# Allegro board RV1126B_mainboard.brd (continued)
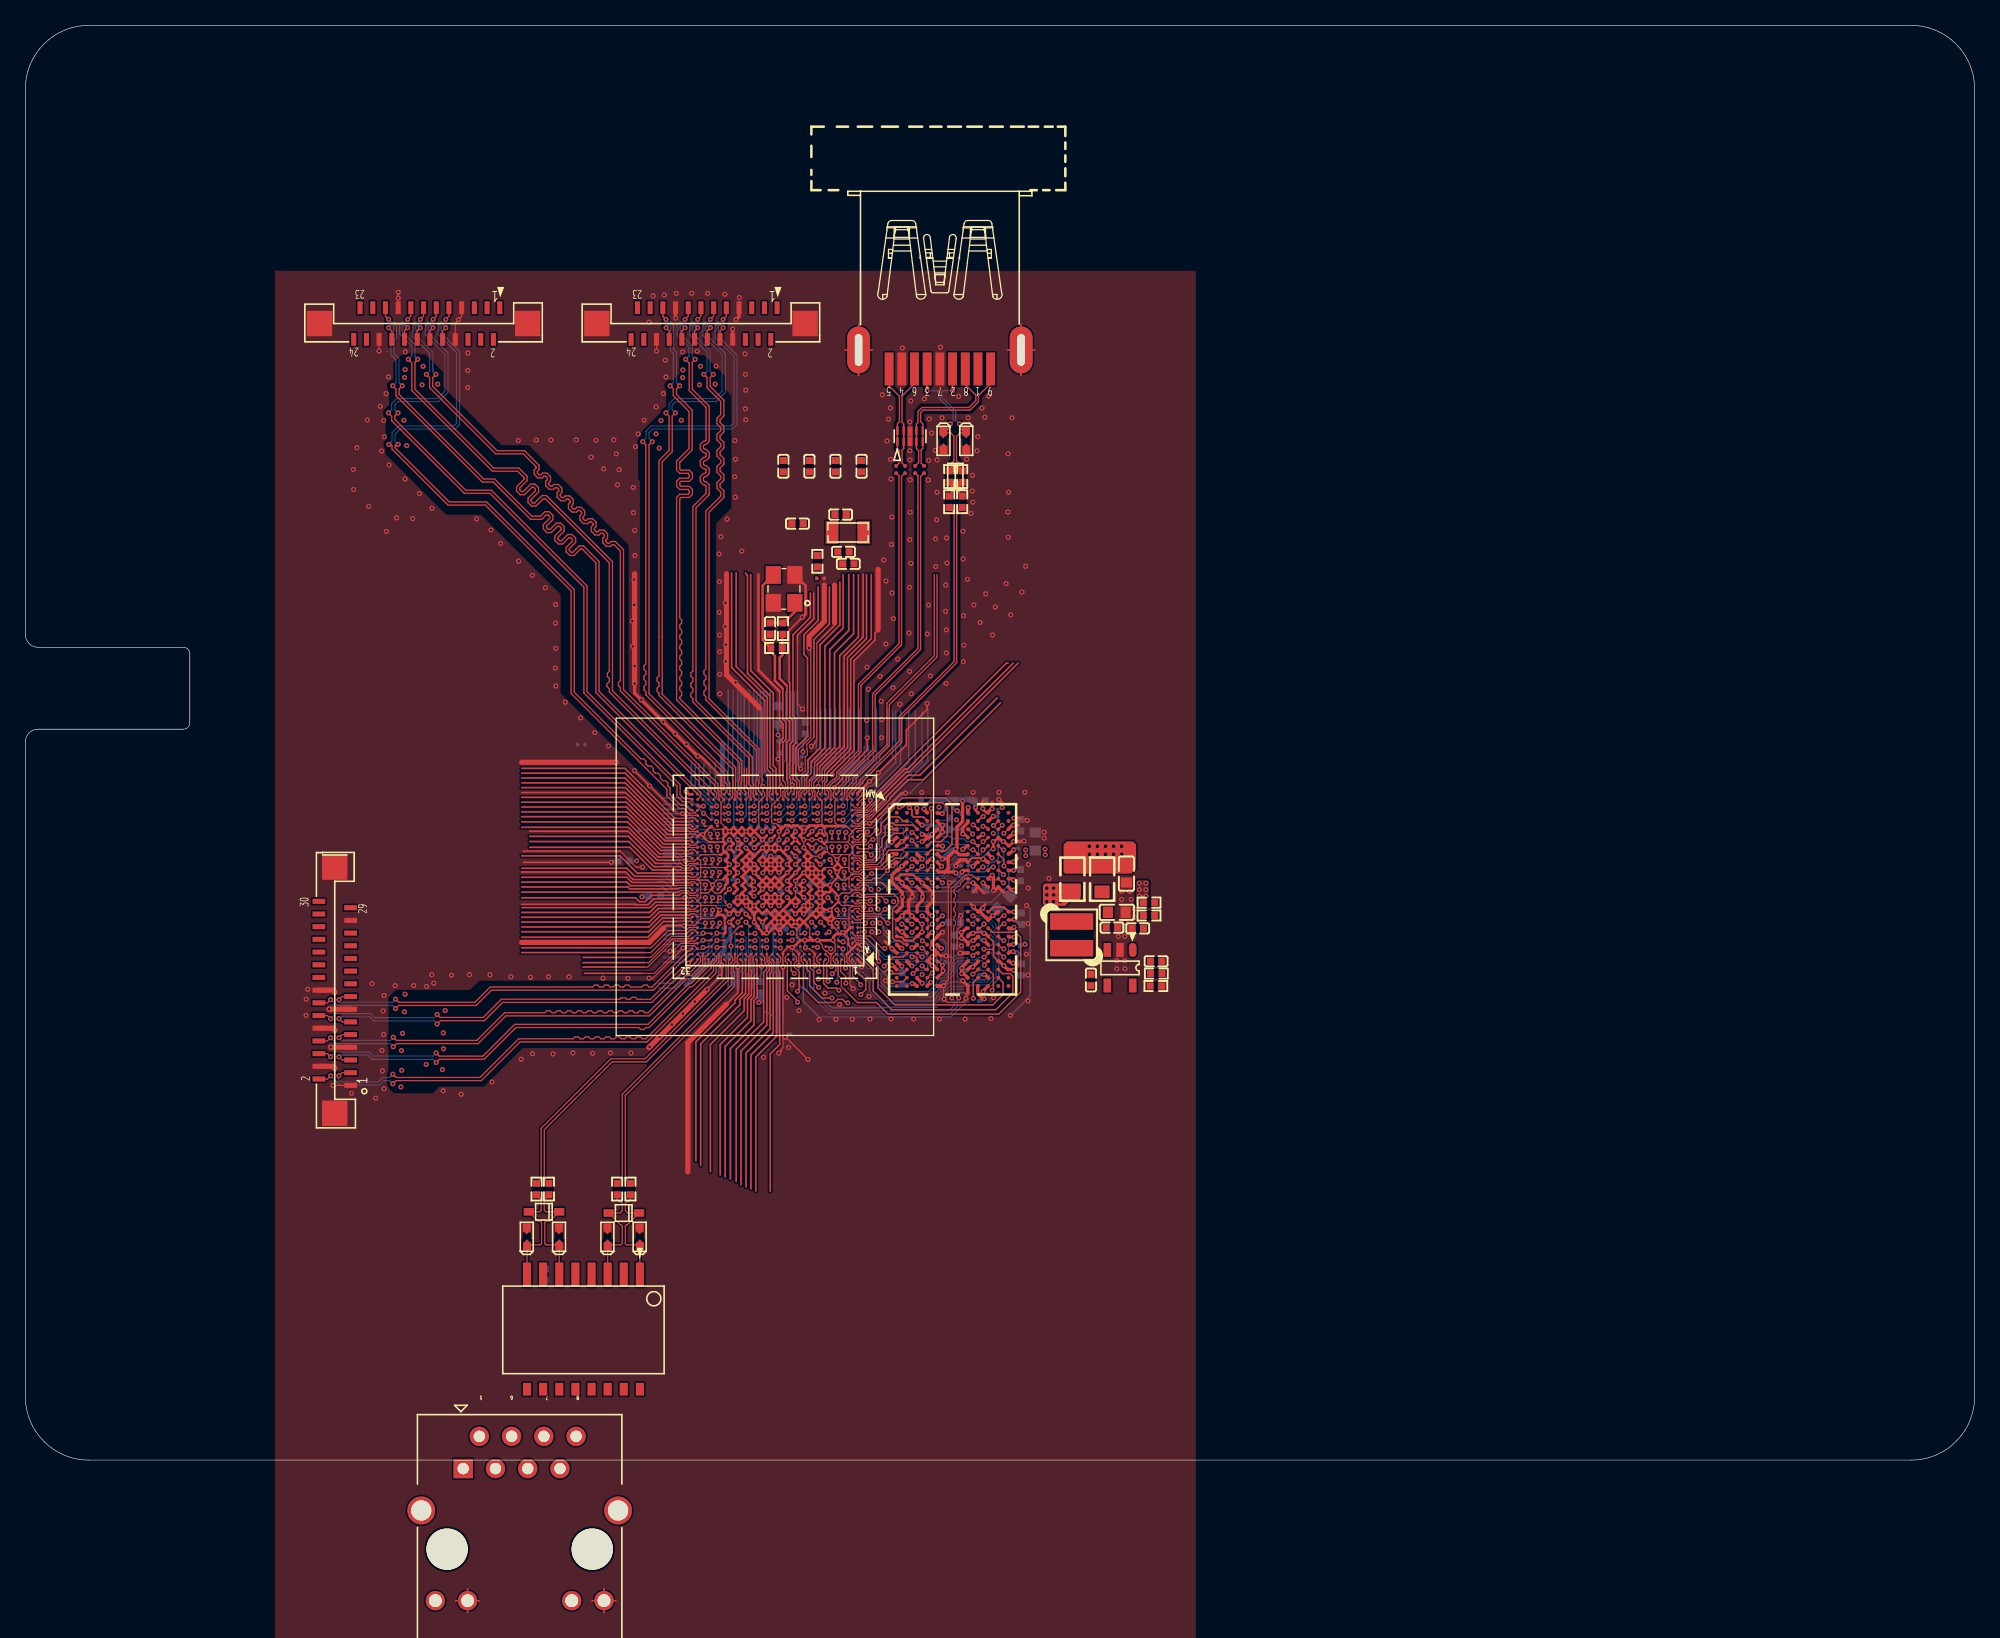
[diagram p0: board, top side]
## Footprints (pads in the part's own frame, mm; a bottom-side part is the same pattern mirrored in y, then rotated) (continued)
  round 0.216 smd: 1A2(-5,5.5) 1A4(-4,5.5) 1A6(-3,5.5) 1A8(-2,5.5) 1A10(-1,5.5) 1A12(0,5.5) 1A14(1,5.5) 1A16(2,5.5) 1A18(3,5.5) 1A20(4,5.5) 1A22(5,5.5) 1AA2(-5,-4.5) 1AA4(-4,-4.5) 1AA6(-3,-4.5) 1AA8(-2,-4.5) 1AA10(-1,-4.5) 1AA12(0,-4.5) 1AA14(1,-4.5) 1AA16(2,-4.5) 1AA18(3,-4.5) 1AA20(4,-4.5) 1AA22(5,-4.5) 1AB2(-5,-5) 1AB4(-4,-5) 1AB6(-3,-5) 1AB8(-2,-5) 1AB10(-1,-5) 1AB12(0,-5) 1AB14(1,-5) 1AB16(2,-5) 1AB18(3,-5) 1AB20(4,-5) 1AB22(5,-5) 1AC2(-5,-5.5) 1AC4(-4,-5.5) 1AC6(-3,-5.5) 1AC8(-2,-5.5) 1AC10(-1,-5.5) 1AC12(0,-5.5) 1AC14(1,-5.5) 1AC16(2,-5.5) 1AC18(3,-5.5) 1AC20(4,-5.5) 1AC22(5,-5.5) 1B2(-5,5) 1B4(-4,5) 1B6(-3,5) 1B8(-2,5) 1B10(-1,5) 1B12(0,5) 1B14(1,5) 1B16(2,5) 1B18(3,5) 1B20(4,5) 1B22(5,5) 1C2(-5,4.5) 1C4(-4,4.5) 1C6(-3,4.5) 1C8(-2,4.5) 1C10(-1,4.5) 1C12(0,4.5) 1C14(1,4.5) 1C16(2,4.5) 1C18(3,4.5) 1C20(4,4.5) 1C22(5,4.5) 1D1(-5.5,4) 1D2(-5,4) 1D3(-4.5,4) 1D21(4.5,4) 1D22(5,4) 1D23(5.5,4) 1F1(-5.5,3) 1F2(-5,3) 1F3(-4.5,3) 1F21(4.5,3) 1F22(5,3) 1F23(5.5,3) 1H1(-5.5,2) 1H2(-5,2) 1H3(-4.5,2) 1H21(4.5,2) 1H22(5,2) 1H23(5.5,2) 1K1(-5.5,1) 1K2(-5,1) 1K3(-4.5,1) 1K21(4.5,1) 1K22(5,1) 1K23(5.5,1) 1M1(-5.5,0) 1M2(-5,0) 1M3(-4.5,0) 1M21(4.5,0) 1M22(5,0) 1M23(5.5,0) 1P1(-5.5,-1) 1P2(-5,-1) 1P3(-4.5,-1) 1P21(4.5,-1) 1P22(5,-1) 1P23(5.5,-1) 1T1(-5.5,-2) 1T2(-5,-2) 1T3(-4.5,-2) 1T21(4.5,-2) 1T22(5,-2) 1T23(5.5,-2) 1V1(-5.5,-3) 1V2(-5,-3) 1V3(-4.5,-3) 1V21(4.5,-3) 1V22(5,-3) 1V23(5.5,-3) 1Y1(-5.5,-4) 1Y2(-5,-4) 1Y3(-4.5,-4) 1Y21(4.5,-4) 1Y22(5,-4) 1Y23(5.5,-4) 2A1(-3.9,3.9) 2A2(-3.25,3.9) 2A3(-2.6,3.9) 2A4(-1.95,3.9) 2A5(-1.3,3.9) 2A6(-0.65,3.9) 2A7(0,3.9) 2A8(0.65,3.9) 2A9(1.3,3.9) 2A10(1.95,3.9) 2A11(2.6,3.9) 2A12(3.25,3.9) 2A13(3.9,3.9) 2B1(-3.9,3.25) 2B2(-3.25,3.25) 2B3(-2.6,3.25) 2B4(-1.95,3.25) 2B5(-1.3,3.25) 2B6(-0.65,3.25) 2B7(0,3.25) 2B8(0.65,3.25) 2B9(1.3,3.25) 2B10(1.95,3.25) 2B11(2.6,3.25) 2B12(3.25,3.25) 2B13(3.9,3.25) 2C1(-3.9,2.6) 2C2(-3.25,2.6) 2C3(-2.6,2.6) 2C4(-1.95,2.6) 2C5(-1.3,2.6) 2C6(-0.65,2.6) 2C7(0,2.6) 2C8(0.65,2.6) 2C9(1.3,2.6) 2C10(1.95,2.6) 2C11(2.6,2.6) 2C12(3.25,2.6) 2C13(3.9,2.6) 2D1(-3.9,1.95) 2D2(-3.25,1.95) 2D3(-2.6,1.95) 2D4(-1.95,1.95) 2D5(-1.3,1.95) 2D6(-0.65,1.95) 2D7(0,1.95) 2D8(0.65,1.95) 2D9(1.3,1.95) 2D10(1.95,1.95) 2D11(2.6,1.95) 2D12(3.25,1.95) 2D13(3.9,1.95) 2E1(-3.9,1.3) 2E2(-3.25,1.3) 2E3(-2.6,1.3) 2E4(-1.95,1.3) 2E5(-1.3,1.3) 2E6(-0.65,1.3) 2E7(0,1.3) 2E8(0.65,1.3) 2E9(1.3,1.3) 2E10(1.95,1.3) 2E11(2.6,1.3) 2E12(3.25,1.3) 2E13(3.9,1.3) 2F1(-3.9,0.65) 2F2(-3.25,0.65) 2F3(-2.6,0.65) 2F4(-1.95,0.65) 2F5(-1.3,0.65) 2F6(-0.65,0.65) 2F7(0,0.65) 2F8(0.65,0.65) 2F9(1.3,0.65) 2F10(1.95,0.65) 2F11(2.6,0.65) 2F12(3.25,0.65) 2F13(3.9,0.65) 2G1(-3.9,0) 2G2(-3.25,0) 2G3(-2.6,0) 2G4(-1.95,0) 2G5(-1.3,0) 2G6(-0.65,0) 2G7(0,0) 2G8(0.65,0) 2G9(1.3,0) 2G10(1.95,0) 2G11(2.6,0) 2G12(3.25,0) 2G13(3.9,0) 2H1(-3.9,-0.65) 2H2(-3.25,-0.65) 2H3(-2.6,-0.65) 2H4(-1.95,-0.65) 2H5(-1.3,-0.65) 2H6(-0.65,-0.65) 2H7(0,-0.65) 2H8(0.65,-0.65) 2H9(1.3,-0.65) 2H10(1.95,-0.65) 2H11(2.6,-0.65) 2H12(3.25,-0.65) 2H13(3.9,-0.65) 2J1(-3.9,-1.3) 2J2(-3.25,-1.3) 2J3(-2.6,-1.3) 2J4(-1.95,-1.3) 2J5(-1.3,-1.3) 2J6(-0.65,-1.3) 2J7(0,-1.3) 2J8(0.65,-1.3) 2J9(1.3,-1.3) 2J10(1.95,-1.3) 2J11(2.6,-1.3) 2J12(3.25,-1.3) 2J13(3.9,-1.3) 2K1(-3.9,-1.95) 2K2(-3.25,-1.95) 2K3(-2.6,-1.95) 2K4(-1.95,-1.95) 2K5(-1.3,-1.95) 2K6(-0.65,-1.95) 2K7(0,-1.95) 2K8(0.65,-1.95) 2K9(1.3,-1.95) 2K10(1.95,-1.95) 2K11(2.6,-1.95) 2K12(3.25,-1.95) 2K13(3.9,-1.95) 2L1(-3.9,-2.6) 2L2(-3.25,-2.6) 2L3(-2.6,-2.6) 2L4(-1.95,-2.6) 2L5(-1.3,-2.6) 2L6(-0.65,-2.6) 2L7(0,-2.6) 2L8(0.65,-2.6) 2L9(1.3,-2.6) 2L10(1.95,-2.6) 2L11(2.6,-2.6) 2L12(3.25,-2.6) 2L13(3.9,-2.6) 2M1(-3.9,-3.25) 2M2(-3.25,-3.25) 2M3(-2.6,-3.25) 2M4(-1.95,-3.25) 2M5(-1.3,-3.25) 2M6(-0.65,-3.25) 2M7(0,-3.25) 2M8(0.65,-3.25) 2M9(1.3,-3.25) 2M10(1.95,-3.25) 2M11(2.6,-3.25) 2M12(3.25,-3.25) 2M13(3.9,-3.25) 2N1(-3.9,-3.9) 2N2(-3.25,-3.9) 2N3(-2.6,-3.9) 2N4(-1.95,-3.9) 2N5(-1.3,-3.9) 2N6(-0.65,-3.9) 2N7(0,-3.9) 2N8(0.65,-3.9) 2N9(1.3,-3.9) 2N10(1.95,-3.9) 2N11(2.6,-3.9) 2N12(3.25,-3.9) 2N13(3.9,-3.9) A1(-6.51,6.51) A2(-6.09,6.51) A4(-5.25,6.51) A5(-4.83,6.51) A7(-3.99,6.51) A8(-3.57,6.51) A10(-2.73,6.51) A11(-2.31,6.51) A13(-1.47,6.51) A14(-1.05,6.51) A16(-0.21,6.51) A17(0.21,6.51) A19(1.05,6.51) A20(1.47,6.51) A22(2.31,6.51) A23(2.73,6.51) A25(3.57,6.51) A26(3.99,6.51) A28(4.83,6.51) A29(5.25,6.51) A31(6.09,6.51) A32(6.51,6.51) AA1(-6.51,-1.89) AA2(-6.09,-1.89) AA31(6.09,-1.89) AA32(6.51,-1.89) AB1(-6.51,-2.31) AB2(-6.09,-2.31) AB31(6.09,-2.31) AC2(-6.09,-2.73) AC31(6.09,-2.73) AC32(6.51,-2.73) AD1(-6.51,-3.15) AD2(-6.09,-3.15) AD31(6.09,-3.15) AD32(6.51,-3.15) AE1(-6.51,-3.57) AE2(-6.09,-3.57) AE31(6.09,-3.57) AF2(-6.09,-3.99) AF31(6.09,-3.99) AF32(6.51,-3.99) AG1(-6.51,-4.41) AG2(-6.09,-4.41) AG31(6.09,-4.41) AG32(6.51,-4.41) AH1(-6.51,-4.83) AH2(-6.09,-4.83) AH31(6.09,-4.83) AJ2(-6.09,-5.25) AJ31(6.09,-5.25) AJ32(6.51,-5.25) AK1(-6.51,-5.67) AK2(-6.09,-5.67) AK31(6.09,-5.67) AK32(6.51,-5.67) AL1(-6.51,-6.09) AL2(-6.09,-6.09) AL3(-5.67,-6.09) AL4(-5.25,-6.09) AL5(-4.83,-6.09) AL6(-4.41,-6.09) AL7(-3.99,-6.09) AL8(-3.57,-6.09) AL9(-3.15,-6.09) AL10(-2.73,-6.09) AL11(-2.31,-6.09) AL12(-1.89,-6.09) AL13(-1.47,-6.09) AL14(-1.05,-6.09) AL15(-0.63,-6.09) AL16(-0.21,-6.09) AL17(0.21,-6.09) AL18(0.63,-6.09) AL19(1.05,-6.09) AL20(1.47,-6.09) AL21(1.89,-6.09) AL22(2.31,-6.09) AL23(2.73,-6.09) AL24(3.15,-6.09) AL25(3.57,-6.09) AL26(3.99,-6.09) AL27(4.41,-6.09) AL28(4.83,-6.09) AL29(5.25,-6.09) AL30(5.67,-6.09) AL31(6.09,-6.09) AL32(6.51,-6.09) AM1(-6.51,-6.51) AM2(-6.09,-6.51) AM4(-5.25,-6.51) AM5(-4.83,-6.51) AM7(-3.99,-6.51) AM8(-3.57,-6.51) AM10(-2.73,-6.51) AM11(-2.31,-6.51) AM13(-1.47,-6.51) AM14(-1.05,-6.51) AM16(-0.21,-6.51) AM17(0.21,-6.51) AM19(1.05,-6.51) AM20(1.47,-6.51) AM22(2.31,-6.51) AM23(2.73,-6.51) AM25(3.57,-6.51) AM26(3.99,-6.51) AM28(4.83,-6.51) AM29(5.25,-6.51) AM31(6.09,-6.51) AM32(6.51,-6.51) B1(-6.51,6.09) B2(-6.09,6.09) B3(-5.67,6.09) B4(-5.25,6.09) B5(-4.83,6.09) B6(-4.41,6.09) B7(-3.99,6.09) B8(-3.57,6.09) B9(-3.15,6.09) B10(-2.73,6.09) B11(-2.31,6.09) B12(-1.89,6.09) B13(-1.47,6.09) B14(-1.05,6.09) B15(-0.63,6.09) B16(-0.21,6.09) B17(0.21,6.09) B18(0.63,6.09) B19(1.05,6.09) B20(1.47,6.09) B21(1.89,6.09) B22(2.31,6.09) B23(2.73,6.09) B24(3.15,6.09) B25(3.57,6.09) B26(3.99,6.09) B27(4.41,6.09) B28(4.83,6.09) B29(5.25,6.09) B30(5.67,6.09) B31(6.09,6.09) B32(6.51,6.09) C1(-6.51,5.67) C2(-6.09,5.67) C31(6.09,5.67) C32(6.51,5.67) D1(-6.51,5.25) D2(-6.09,5.25) D31(6.09,5.25) E2(-6.09,4.83) E31(6.09,4.83) E32(6.51,4.83) F1(-6.51,4.41) F2(-6.09,4.41) F31(6.09,4.41) F32(6.51,4.41) G1(-6.51,3.99) G2(-6.09,3.99) G31(6.09,3.99) H2(-6.09,3.57) H31(6.09,3.57) H32(6.51,3.57) J1(-6.51,3.15) J2(-6.09,3.15) J31(6.09,3.15) J32(6.51,3.15) K1(-6.51,2.73) K2(-6.09,2.73) K31(6.09,2.73) L2(-6.09,2.31) L31(6.09,2.31) L32(6.51,2.31) M1(-6.51,1.89) M2(-6.09,1.89) M31(6.09,1.89) M32(6.51,1.89) N1(-6.51,1.47) N2(-6.09,1.47) N31(6.09,1.47) P2(-6.09,1.05) P31(6.09,1.05) P32(6.51,1.05) R1(-6.51,0.63) R2(-6.09,0.63) R31(6.09,0.63) R32(6.51,0.63) T1(-6.51,0.21) T2(-6.09,0.21) T31(6.09,0.21) U2(-6.09,-0.21) U31(6.09,-0.21) U32(6.51,-0.21) V1(-6.51,-0.63) V2(-6.09,-0.63) V31(6.09,-0.63) V32(6.51,-0.63) W1(-6.51,-1.05) W2(-6.09,-1.05) W31(6.09,-1.05) Y2(-6.09,-1.47) Y31(6.09,-1.47) Y32(6.51,-1.47)
C0201
  custom 0.295x0.3 smd: 1(-0.274,0) 2(0.274,0)
C0402
  rect 0.549x0.549 smd: 1(-0.45,0) 2(0.45,0)
C0402#2
  rect 0.549x0.549 smd: 1(-0.45,0) 2(0.45,0)
C0402_BGA
  custom 0.475x0.508 smd: 1(-0.47,0) 2(0.47,0)
C0603
  rect 0.8x0.899 smd: 1(-0.701,0) 2(0.701,0)
CM_IND_131006
  rect 0.5x0.3 smd: 1(-0.625,0.275) 2(0.625,0.275) 3(-0.625,-0.275) 4(0.625,-0.275)
CNN24_1R00_FP05SL_V
  rect 0.399x1.001 smd: 1(-5.999,-1.25) 2(-5.499,1.25) 3(-5.001,-1.25) 4(-4.501,1.25) 5(-4,-1.25) 6(-3.5,1.25) 7(-3,-1.25) 8(-2.499,1.25) 9(-1.999,-1.25) 10(-1.501,1.25) 11(-1.001,-1.25) 12(-0.5,1.25) 13(0,-1.25) 14(0.5,1.25) 15(1.001,-1.25) 16(1.501,1.25) 17(1.999,-1.25) 18(2.499,1.25) 19(3,-1.25) 20(3.5,1.25) 21(4,-1.25) 22(4.501,1.25) 23(5.001,-1.25) 24(5.499,1.25)
  rect 1.999x1.999 smd: 25(-8.199,0) 26(8.199,0)
CNN30_1R00_FP05SL_V
  rect 0.399x1.001 smd: 1(-7.501,-1.25) 2(-7,1.25) 3(-6.5,-1.25) 4(-5.999,1.25) 5(-5.499,-1.25) 6(-5.001,1.25) 7(-4.501,-1.25) 8(-4,1.25) 9(-3.5,-1.25) 10(-3,1.25) 11(-2.499,-1.25) 12(-1.999,1.25) 13(-1.501,-1.25) 14(-1.001,1.25) 15(-0.5,-1.25) 16(0,1.25) 17(0.5,-1.25) 18(1.001,1.25) 19(1.501,-1.25) 20(1.999,1.25) 21(2.499,-1.25) 22(3,1.25) 23(3.5,-1.25) 24(4,1.25) 25(4.501,-1.25) 26(5.001,1.25) 27(5.499,-1.25) 28(5.999,1.25) 29(6.5,-1.25) 30(7,1.25)
  rect 1.999x1.999 smd: 31(-9.7,0) 32(9.7,0)
CRY2_3R20X1R50X0R90
  rect 1x1.8 smd: 1(-1.25,0) 2(1.25,0)
CRY4_3R20X2R50X0R80
  rect 1.4x1.199 smd: 1(-1.1,-0.851) 2(1.1,-0.851) 3(1.1,0.851) 4(-1.1,0.851)
ESD0402
  custom 0.869x0.638 smd: 1(-0.635,-0.02)
  custom 0.859x0.638 smd: 2(0.622,0)
IND_303015
  rect 3.401x1.3 smd: 1(0,1.05) 2(0,-1.05)
R0201
  custom 0.295x0.3 smd: 1(-0.274,0) 2(0.274,0)
R0402
  rect 0.549x0.549 smd: 1(-0.45,0) 2(0.45,0)
R0603
  rect 0.65x0.8 smd: 1(-0.724,0) 2(0.724,0)
R0805
  rect 1.001x1.199 smd: 1(-1,0) 2(1,0)
RJ45_1008RGF_11B
  round 3.25 hole 3.25 unplated: (-5.715,0) (5.715,0)
  rect 1.524x1.524 hole 0.899: 1(-4.445,6.35)
  round 1.524 hole 0.899: 2(-3.175,8.89) 3(-1.905,6.35) 4(-0.635,8.89) 5(0.635,6.35) 6(1.905,8.89) 7(3.175,6.35) 8(4.445,8.89)
  round 1.524 hole 1.02: 9(-6.64,-4.06) 10(-4.1,-4.06) 11(4.1,-4.06) 12(6.64,-4.06)
  round 2.2 hole 1.6: 13(-7.75,3.05) 14(7.75,3.05)
SOD_323
  rect 0.8x0.6 smd: 1(-1.2,0) 2(1.2,0)
SOIC16_12R70X6R90X5R65
  rect 0.64x1.91 smd: 1(-4.445,-4.35) 2(-3.175,-4.35) 3(-1.905,-4.35) 4(-0.635,-4.35) 5(0.635,-4.35) 6(1.905,-4.35) 7(3.175,-4.35) 8(4.445,-4.35)
  rect 0.64x1 smd: 9(4.445,4.675) 10(3.175,4.675) 11(1.905,4.675) 12(0.635,4.675) 13(-0.635,4.675) 14(-1.905,4.675) 15(-3.175,4.675) 16(-4.445,4.675)
SON10_2R50X1R00X0R50
  rect 0.2x0.68 smd: 1(-1,-0.437) 2(-0.5,-0.437) 4(0.5,-0.437) 5(1,-0.437) 6(1,0.437) 7(0.5,0.437) 9(-0.5,0.437) 10(-1,0.437)
  rect 0.4x0.75 smd: 3(0,-0.395) 8(0,0.395)
SOT_23_5
  oval 1.1x0.599 smd: 1(-1.4,1.001)
  rect 1.1x0.599 smd: 2(-1.4,0) 3(-1.4,-1.001) 4(1.4,-1.001) 5(1.4,1.001)
unnamed
  rect 0.549x0.549 smd: 1(-0.45,0) 2(0.45,0)
USB30_AF_SMT_THF
  rect 0.7x2.6 smd: 1(-3,0.5) 2(-1,0.5) 3(1,0.5) 4(3,0.5) 5(4,0.5) 6(2,0.5) 7(0,0.5) 8(-2,0.5) 9(-4,0.5)
  oval 1.8x3.7 hole 0.6x2.5: 10(-6.4,-1) 11(6.4,-1)

## Nets
GND: C1000.2 C1001.2 C1002.2 C1003.2 C1004.2 C1005.2 C1006.2 C1007.2 C1008.2 C1009.2 C1010.2 C1011.2 C1012.2 C1013.2 C1014.2 C1015.2 C1016.2 C1017.2 C1018.2 C1100.2 C1101.2 C1102.2 C1103.2 C1104.2 C1105.2 C1106.2 C1107.1 C1108.2 C1109.1 C1110.2 C1111.2 C1112.2 C1201.2 C1202.2 C1203.2 C1204.2 C1205.2 C1206.2 C1207.2 C1300.2 C1301.2 C1302.2 C1401.2 C1402.2 C1403.2 C1508.2 C1600.2 C1601.2 C1602.2 C1603.2 C1604.2 C1605.2 C1606.2 C1700.2 C1701.2 C1702.2 C1703.2 C1800.2 C1803.2 C1804.2 C1807.2 C1808.2 C1809.2 C1810.2 C1900.2 C1901.2 C1902.2 C3300.2 C3302.2 C3303.2 C3304.2 C3305.2 C3306.2 C3307.2 C3308.2 C3309.2 C3310.2 C3311.2 C3312.2 C3313.2 C3314.2 C3315.2 C3316.2 C3317.2 C3318.2 C3319.2 C3320.2 C3321.2 C3322.2 C3323.2 C3324.2 C3325.2 C3326.2 C3327.2 C3328.2 C3329.2 C3330.2 C3331.2 C3332.2 C3333.2 C3334.2 C3335.2 C3336.2 C3337.2 C3338.2 C6500.1 C6501.1 ED2500.2 ED2501.2 ED2502.3 ED2502.8 ED6500.2 ED6502.2 ED6503.2 ED6505.2 J2501.4 J2501.7 J2501.10 J2501.11 J4700.7 J4700.8 J4700.17 J4700.20 J4700.25 J4700.26(GPAD2) J4702.7 J4702.8 J4702.17 J4702.20 J4702.25 J4702.26(GPAD2) J5400.1 J5400.4 J5400.7 J5400.10 J5400.13 J5400.16 J5400.27 J5400.31 J5400.32(GND_32) J6500.10(YLED-) J6500.12 R1900.2 R3306.2 U1000.1A10 U1000.1B4 U1000.1B6 U1000.1B8 U1000.1C2 U1000.1C14 U1000.1C20 U1000.1D3 U1000.1F3 U1000.1F21 U1000.1H2 U1000.1K3 U1000.1K22 U1000.1M2 U1000.1P2 U1000.1V23 U1000.1Y1 U1000.1Y2 U1000.1Y3 U1000.1Y22 U1000.2A3 U1000.2A4 U1000.2A5 U1000.2A6 U1000.2A7 U1000.2A8 U1000.2A9 U1000.2A13 U1000.2B1 U1000.2B2 U1000.2B3 U1000.2B4 U1000.2B5 U1000.2B6 U1000.2B7 U1000.2B13 U1000.2C1 U1000.2C2 U1000.2C6 U1000.2C7 U1000.2C8 U1000.2C9 U1000.2C10 U1000.2D1 U1000.2D2 U1000.2D4 U1000.2D5 U1000.2D9 U1000.2D10 U1000.2D11 U1000.2D12 U1000.2E1 U1000.2E2 U1000.2E9 U1000.2E11 U1000.2F1 U1000.2F2 U1000.2F6 U1000.2F7 U1000.2F8 U1000.2F9 U1000.2F11 U1000.2F13 U1000.2G1 U1000.2G2 U1000.2G3 U1000.2G4 U1000.2G6 U1000.2G7 U1000.2G8 U1000.2G9 U1000.2G11 U1000.2G13 U1000.2H1 U1000.2H2 U1000.2H3 U1000.2H5 U1000.2H9 U1000.2H10 U1000.2H11 U1000.2H13 U1000.2J3 U1000.2J5 U1000.2J10 U1000.2J11 U1000.2J13 U1000.2K1 U1000.2K3 U1000.2K6 U1000.2K7 U1000.2K8 U1000.2K9 U1000.2K10 U1000.2K13 U1000.2L1 U1000.2L7 U1000.2L8 U1000.2L13 U1000.2M4 U1000.2M8 U1000.2M9 U1000.2M10 U1000.2M11 U1000.2M12 U1000.2M13 U1000.2N1 U1000.2N2 U1000.2N3 U1000.2N4 U1000.2N5 U1000.2N6 U1000.2N9 U1000.2N10 U1000.2N11 U1000.2N12 U1000.2N13(VSS_142) U1000.A1 U1000.A19 U1000.A32 U1000.AA2 U1000.AB2 U1000.AD31 U1000.AE2 U1000.AH31 U1000.AK31 U1000.AL5 U1000.AL8 U1000.AL16 U1000.AL19 U1000.AL26 U1000.AM1 U1000.AM14 U1000.AM32 U1000.B3 U1000.B6 U1000.B9 U1000.B12 U1000.B15 U1000.B23 U1000.B26 U1000.C2 U1000.C31 U1000.D1 U1000.G2 U1000.H31 U1000.L2 U1000.M31 U1000.P2 U1000.T31 U1000.U2 U1000.Y31 U3300.A3 U3300.A10 U3300.AB3 U3300.AB5 U3300.AB8 U3300.AB10 U3300.C1 U3300.C5 U3300.C8 U3300.C12 U3300.D2 U3300.D4 U3300.D9(VSS_9) U3300.D11 U3300.E1 U3300.E5 U3300.E8 U3300.E12 U3300.G1 U3300.G3 U3300.G5 U3300.G8 U3300.G10 U3300.G12 U3300.J1 U3300.J3 U3300.J10 U3300.J12 U3300.K2 U3300.K4 U3300.K9 U3300.K11 U3300.N2 U3300.N4 U3300.N9 U3300.N11 U3300.P1 U3300.P3 U3300.P10 U3300.P12 U3300.T1 U3300.T3 U3300.T5 U3300.T8 U3300.T10 U3300.T12 U3300.V1 U3300.V5 U3300.V8 U3300.V12 U3300.W2 U3300.W4 U3300.W9 U3300.W11 U3300.Y1 U3300.Y5 U3300.Y8 U3300.Y12 U3301.2 Y1100.2 Y1100.4
GND_EARTH: J6500.13 J6500.14
VBUS5V0_TYPEC: J2501.1(VBUS)
VCC0V6_DDR: C1206.1 C1207.1 C3304.1 C3305.1 C3306.1 C3307.1 C3308.1 C3309.1 C3310.1 C3311.1 C3312.1 C3313.1 C3314.1 C3315.1 C3316.1 C3317.1 R3300.1 R3301.1 R3302.2 R3303.2 U1000.2E4 U1000.2F4 U3300.AA3 U3300.AA5 U3300.AA8 U3300.AA10 U3300.B3 U3300.B5 U3300.B8 U3300.B10 U3300.D1 U3300.D5 U3300.D8 U3300.D12 U3300.F3 U3300.F10 U3300.U3 U3300.U10 U3300.W1 U3300.W5 U3300.W8 U3300.W12
VCC0V6_DDR_P: C3301.1 C3302.1 C3303.1 L3300.2 R3303.1 R3304.1
VCC1V8_DDR: C3332.1 C3333.1 C3334.1 C3335.1 C3336.1 C3337.1 C3338.1 R3307.2 U3300.F1 U3300.F12 U3300.G4 U3300.G9 U3300.T4 U3300.T9 U3300.U1 U3300.U12
VCC1V8_PMU: R3305.1 R3307.1
VCC3V3_RTC: C1110.1 R1113.2 U1000.2M3
VCC3V3_SYS: C1101.1 C1108.1 C1112.1 R1113.1 U1000.2L4 U1000.2L5 U1000.2M5
VCC5V0_SYS: C3300.1 U3301.4(VIN)
VCC_1V8: C1106.1 C1111.1 C1302.1 C1402.1 C1508.1 C1601.1 C1602.1 C1603.1 C1605.1 C1606.1 C1703.1 C1800.1 C1901.1 R1815.2 U1000.2B8 U1000.2B9 U1000.2C11 U1000.2C12 U1000.2C13 U1000.2G12 U1000.2H12 U1000.2J4 U1000.2J12 U1000.2K11 U1000.2L2 U1000.2L3 U1000.2L9 U1000.2L11
VCC_3V3: C1403.1 C1700.1 C1701.1 C1902.1 U1000.2B10 U1000.2E12 U1000.2F12 U1000.2K2
VCC_AVDD_0: J4702.24
VCC_AVDD_1: J4700.24
VCC_DDR: C1201.1 C1202.1 C1203.1 C1204.1 C1205.1 C3319.1 C3320.1 C3321.1 C3322.1 C3323.1 C3324.1 C3325.1 C3326.1 C3327.1 C3328.1 C3329.1 C3330.1 C3331.1 R1200.2 R3302.1 U1000.2C3 U1000.2C4 U1000.2C5 U1000.2D3 U1000.2E3 U1000.2F3 U3300.A4 U3300.A9 U3300.AB4 U3300.AB9 U3300.F5 U3300.F8 U3300.G2 U3300.H1 U3300.H5 U3300.H8 U3300.H12 U3300.K1 U3300.K3 U3300.K10 U3300.K12 U3300.N1 U3300.N3 U3300.N10 U3300.N12 U3300.R1 U3300.R5 U3300.R8 U3300.R12 U3300.T2 U3300.U5 U3300.U8
VCC_DOVDD_0: J4702.22
VCC_DOVDD_1: J4700.22
VCC_DVDD_0: J4702.23
VCC_DVDD_1: J4700.23
VCCIO_FLASH: C1300.1 U1000.2J2
VCCIO_SD: C1301.1 U1000.2L10
VDD_0V9: C1100.1 C1105.1 C1401.1 C1600.1 C1604.1 C1702.1 C1900.1 U1000.2A12 U1000.2B12 U1000.2K4 U1000.2K5 U1000.2K12 U1000.2L12 U1000.2M1 U1000.2M2
VDD_CPU: C1000.1 C1001.1 C1002.1 C1003.1 C1004.1 C1005.1 U1000.2H6 U1000.2H7 U1000.2H8 U1000.2J6 U1000.2J7 U1000.2J8 U1000.2J9
VDD_LOGIC: C1006.1 C1007.1 C1008.1 C1009.1 C1010.1 C1011.1 C1012.1 U1000.2E5 U1000.2E10 U1000.2F5 U1000.2F10 U1000.2G5 U1000.2G10 U1000.2H4
VDD_NPU: C1013.1 C1014.1 C1015.1 C1016.1 C1017.1 C1018.1 U1000.2D6 U1000.2D7 U1000.2D8 U1000.2E6 U1000.2E7 U1000.2E8
AUDIO_ADC0_MICN: C1802.1 U1000.AM17
AUDIO_ADC0_MICP: C1801.1 U1000.AM16
AUDIO_ADC0_VCM: C1803.1 U1000.2M6
AUDIO_ADC0_VREF: C1804.1 U1000.2M7
AUDIO_ADC1_MICN: C1806.1 U1000.AL18
AUDIO_ADC1_MICP: C1805.1 U1000.AL17
AUDIO_ADC1_VCM: C1807.1 U1000.2L6
AUDIO_ADC1_VREF: C1808.1 U1000.2N8
BT_RST: U1000.1AA4
BT_WAKE_HOST: U1000.1AC4
CIF_CLKIN_M0: U1000.U32
CIF_CLKOUT_M0: U1000.U31
CIF_D0_M0: U1000.1T23
CIF_D1_M0: U1000.AD32
CIF_D2_M0: U1000.AC32
CIF_D3_M0: U1000.AC31
CIF_D4_M0: U1000.AB31
CIF_D5_M0: U1000.AA31
CIF_D6_M0: U1000.AA32
CIF_D7_M0: U1000.Y32
CIF_D8_M1: U1000.W31
CIF_D9_M0: U1000.1P21
CIF_D10_M0: U1000.1P22
CIF_D11_M0: U1000.1P23
CIF_D12_M0: U1000.1M21
CIF_D13_M0: U1000.1M22
CIF_D14_M0: U1000.1M23
CIF_D15_M0: U1000.1K21
CIF_HSYNC_M0: U1000.V31
CIF_VSYNC_M0: U1000.V32
CLK_32K_OUT: U1000.AL12
CLK_OUT_ETHERNET_M1/LCDC_D17: U1000.1F22
CLK_REF: U1000.AM13
CODEC_AVDD_1V8: C1809.1 C1810.1 R1815.1 U1000.2N7
DDR_RZQ: R1200.1 U1000.2A2
EMMC_CLKO: U1000.AF2
EMMC_CMD: U1000.AG1
EMMC_D0: U1000.AL1
EMMC_D1: U1000.1V3
EMMC_D2: U1000.1V2
EMMC_D3: U1000.AK2
EMMC_D4: U1000.AK1
EMMC_D5: U1000.AJ2
EMMC_D6: U1000.AH2
EMMC_D7: U1000.AH1
EPHY_RST_3V3IO/LCDC_D12: U1000.1H22
FEPHY_REXT: R1900.1 U1000.2A11
FEPHY_RXN: R6503.1 U1000.B24
FEPHY_RXP: R6502.1 U1000.B25
FEPHY_TXN: R6501.1 U1000.A25
FEPHY_TXP: R6500.1 U1000.A26
FSPI_CLK: U1000.AG2
FSPI_CSN: U1000.1V1
FSPI_D0: U1000.1T2
FSPI_D1: U1000.1P3
FSPI_D2: U1000.1T3
FSPI_D3: U1000.1T1
GMAC_CLK_M1/LCDC_D11: U1000.2E13
GMAC_MDC_M1/LCDC_D14: U1000.J31
GMAC_MDIO_M1/LCDC_D13: U1000.1H21
GMAC_RXCLK_M1/LCDC_D23: U1000.1D21
GMAC_RXD0_M1/LCDC_D9: U1000.1K23
GMAC_RXD1_M1/LCDC_D10: U1000.1H23
GMAC_RXD2_M1/LCDC_D19: U1000.G31
GMAC_RXD3_M1/LCDC_D20: U1000.F31
GMAC_RXDV_M1/LCDC_D8: U1000.K31
GMAC_TXCLK_M1/LCDC_D22: U1000.1D22
GMAC_TXD0_M1/LCDC_D15: U1000.H32
GMAC_TXD1_M1/LCDC_D16: U1000.J32
GMAC_TXD2_M1/LCDC_D21: U1000.1D23
GMAC_TXD3_M1/LCDC_D0: U1000.R31
GMAC_TXEN_M1/LCDC_D18: U1000.1F23
GSENSOR_INT_H/LCDC_D5: U1000.M32
HOST_WAKE_BT: U1000.A16
HOST_WAKE_WIFI: U1000.1AB4
I2C0_SCL_PMIC: U1000.1AA12
I2C0_SDA_PMIC: U1000.1AB12
I2C2_SCL_SENSOR: U1000.1AA8
I2C2_SDA_SENSOR: U1000.1AC6
I2C3_SCL_CAM: U1000.1V22
I2C3_SDA_CAM: U1000.AF32
I2C5_SCL_M0/LCDC_D1: U1000.R32
I2C5_SDA_M0/LCDC_D7: U1000.L31
I2S0_LRCK/DSM_AUD_LN: U1000.1AB22
I2S0_MCLK: U1000.1AA16
I2S0_SCLK_TX: U1000.1Y21
I2S0_SDI0: U1000.1AB16
I2S0_SDI1/DSM_AUD_RP: U1000.1AC14
I2S0_SDI2/DSM_AUD_RN: U1000.1AB14
I2S0_SDI3: U1000.1AA14
I2S0_SDO0/DSM_AUD_LP: U1000.1AC22
JTAG_TCK/UART2_TX: U1000.1A22
JTAG_TMS/UART2_RX: U1000.1B22
LAN1_MCT1: U6500.10
LAN1_MCT2: U6500.15
LED_ACT: J6500.11
LED_PWM_IR: U1000.1AB8
LED_PWM_WHITE: U1000.1AB10
LED_SPD: J6500.9
LOGIC_PWM: U1000.1AA10
LP4_DM0_A: U1000.W2 U3300.C3
LP4_DM0_B: U1000.K2 U3300.Y3
LP4_DM1_A: U1000.1M1 U3300.C10
LP4_DM1_B: U1000.D2 U3300.Y10
LP4_DQ0_A: U1000.Y2 U3300.B2
LP4_DQ0_B: U1000.M2 U3300.AA2
LP4_DQ1_A: U1000.W1 U3300.C2
LP4_DQ1_B: U1000.M1 U3300.Y2
LP4_DQ2_A: U1000.V1 U3300.E2
LP4_DQ2_B: U1000.N1 U3300.V2
LP4_DQ3_A: U1000.V2 U3300.F2
LP4_DQ3_B: U1000.N2 U3300.U2
LP4_DQ4_A: U1000.AE1 U3300.F4
LP4_DQ4_B: U1000.H2 U3300.U4
LP4_DQ5_A: U1000.AD1 U3300.E4
LP4_DQ5_B: U1000.J2 U3300.V4
LP4_DQ6_A: U1000.AD2 U3300.C4
LP4_DQ6_B: U1000.J1 U3300.Y4
LP4_DQ7_A: U1000.AC2 U3300.B4
LP4_DQ7_B: U1000.K1 U3300.AA4
LP4_DQ8_A: U1000.R1 U3300.B11
LP4_DQ8_B: U1000.C1 U3300.AA11
LP4_DQ9_A: U1000.1M3 U3300.C11
LP4_DQ9_B: U1000.B1 U3300.Y11
LP4_DQ10_A: U1000.R2 U3300.E11
LP4_DQ10_B: U1000.A2 U3300.V11
LP4_DQ11_A: U1000.1H1 U3300.F11
LP4_DQ11_B: U1000.B2 U3300.U11
LP4_DQ12_A: U1000.T2 U3300.F9
LP4_DQ12_B: U1000.G1 U3300.U9
LP4_DQ13_A: U1000.T1 U3300.E9
LP4_DQ13_B: U1000.F1 U3300.V9
LP4_DQ14_A: U1000.1H3 U3300.C9
LP4_DQ14_B: U1000.F2 U3300.Y9
LP4_DQ15_A: U1000.1P1 U3300.B9
LP4_DQ15_B: U1000.E2 U3300.AA9
LP4_DQS0N_A: U1000.AA1 U3300.E3
LP4_DQS0N_B: U1000.1F2 U3300.V3
LP4_DQS0P_A: U1000.AB1 U3300.D3
LP4_DQS0P_B: U1000.1F1 U3300.W3
LP4_DQS1N_A: U1000.1K2 U3300.E10
LP4_DQS1N_B: U1000.1D2 U3300.V10
LP4_DQS1P_A: U1000.1K1 U3300.D10
LP4_DQS1P_B: U1000.1D1 U3300.W10
LPDDR4_A0_A: U1000.B8 U3300.H2
LPDDR4_A0_B: U1000.1A4 U3300.R2
LPDDR4_A1_A: U1000.1C4 U3300.J2
LPDDR4_A1_B: U1000.B4 U3300.P2
LPDDR4_A2_A: U1000.1A12 U3300.H9
LPDDR4_A2_B: U1000.A4 U3300.R9
LPDDR4_A3_A: U1000.B14 U3300.H10
LPDDR4_A3_B: U1000.A5 U3300.R10
LPDDR4_A4_A: U1000.1B12 U3300.H11
LPDDR4_A4_B: U1000.B5 U3300.R11
LPDDR4_A5_A: U1000.A11 U3300.J11
LPDDR4_A5_B: U1000.1A6 U3300.P11
LPDDR4_CKE0_A: U1000.A10 U3300.J4
LPDDR4_CKE0_B: U1000.1C8 U3300.P4
LPDDR4_CKE1_A: U1000.B13 U3300.J5
LPDDR4_CKE1_B: U1000.1C6 U3300.P5
LPDDR4_CLKN_A: U1000.1C10 U3300.J9
LPDDR4_CLKN_B: U1000.1A2 U3300.P9
LPDDR4_CLKP_A: U1000.1B10 U3300.J8
LPDDR4_CLKP_B: U1000.1B2 U3300.P8
LPDDR4_CSN0_A: U1000.B11 U3300.H4
LPDDR4_CSN0_B: U1000.B7 U3300.R4
LPDDR4_CSN1_A: U1000.A7 U3300.H3
LPDDR4_CSN1_B: U1000.A14 U3300.R3
LPDDR4_RST: U1000.2A1 U3300.T11
MIC_LED_EN: U1000.1AA6
MIPI_CSI_RX0_CLK0N: J4702.18 U1000.AL23
MIPI_CSI_RX0_CLK0P: J4702.19 U1000.AM23
MIPI_CSI_RX0_CLK1N: U1000.AM22
MIPI_CSI_RX0_CLK1P: U1000.AL22
MIPI_CSI_RX0_D0N: J4702.9 U1000.AM26
MIPI_CSI_RX0_D0P: J4702.10 U1000.AM25
MIPI_CSI_RX0_D1N: J4702.11 U1000.AL25
MIPI_CSI_RX0_D1P: J4702.12 U1000.AL24
MIPI_CSI_RX0_D2N: J4702.13 U1000.AM20
MIPI_CSI_RX0_D2P: J4702.14 U1000.AM19
MIPI_CSI_RX0_D3N: J4702.15 U1000.AL21
MIPI_CSI_RX0_D3P: J4702.16 U1000.AL20
MIPI_CSI_RX1_CLK0N: J4700.18 U1000.AM31
MIPI_CSI_RX1_CLK0P: J4700.19 U1000.AL31
MIPI_CSI_RX1_CLK1N: U1000.AL30
MIPI_CSI_RX1_CLK1P: U1000.AL29
MIPI_CSI_RX1_D0N: J4700.9 U1000.AJ31
MIPI_CSI_RX1_D0P: J4700.10 U1000.AJ32
MIPI_CSI_RX1_D1N: J4700.11 U1000.AK32
MIPI_CSI_RX1_D1P: J4700.12 U1000.AL32
MIPI_CSI_RX1_D2N: J4700.13 U1000.AL28
MIPI_CSI_RX1_D2P: J4700.14 U1000.AL27
MIPI_CSI_RX1_D3N: J4700.15 U1000.AM29
MIPI_CSI_RX1_D3P: J4700.16 U1000.AM28
MIPI_DSI_CLKN: J5400.8 U1000.B29
MIPI_DSI_CLKP: J5400.9 U1000.B30
MIPI_DSI_D0N: J5400.2 U1000.B27
MIPI_DSI_D0P: J5400.3 U1000.B28
MIPI_DSI_D1N: J5400.5 U1000.A28
MIPI_DSI_D1P: J5400.6 U1000.A29
MIPI_DSI_D2N: J5400.11 U1000.B31
MIPI_DSI_D2P: J5400.12 U1000.A31
MIPI_DSI_D3N: J5400.14 U1000.B32
MIPI_DSI_D3P: J5400.15 U1000.C32
MIPI_REFCLK_OUT0: U1000.AE31
MIPI_REFCLK_OUT1: U1000.AF31
MIPI_REFCLK_OUT2: U1000.AG32
MIPI_REFCLK_OUT3: U1000.AG31
MIPI_RX0_PDN0: U1000.1Y23
MIPI_RX0_PDN1: U1000.1V21
MIPI_RX0_RST0: U1000.1T22
MIPI_RX0_RST1: U1000.1T21
NPOR_DET: C1104.1 R1105.1 U1000.AL13
NPU_PWM: U1000.1AC8
OSC_XIN: C1103.1 R1103.2 U1000.AL15 Y1100.3(X2)
OSC_XOUT: R1101.2 R1103.1 U1000.AL14
PCM_CLK_BT: U1000.1A14
PCM_RX_BT: U1000.1B14
PCM_SYNC_BT: U1000.1A16
PCM_TX_BT: U1000.1B16
PDM_CLK0: U1000.1AC16
PDM_CLK1: U1000.1AA22
PMIC_INT: U1000.1AC12
PWM4_M1/ICR_BIN/LCDC_D3: U1000.P31
PWM5_M1/ICR_AIN/LCDC_D2: U1000.P32
PWM6_M1/LCDC_DEN: U1000.F32
PWM7_M1/CAN0_RXD: U1000.2D13
PWM8_M1/LCDC_CLK: U1000.D31
PWM9_M1/LCDC_VSYNC: U1000.E32
PWM10_M1/LCDC_HSYNC: U1000.E31
PWM11_M1/CAN0_TXD: U1000.1C22
PWR_CTRL0: U1000.AM11
PWR_CTRL1: U1000.1AB6
PWR_CTRL2: U1000.1AC10
RD+: ED6503.1 ED6504.1 R6502.2 U6500.3
RD-: ED6504.2 ED6505.1 R6503.2 U6500.1
RESET: R1105.2
RTC_XIN: C1107.2 U1000.AM8 Y1101.1
RTC_XOUT: C1109.2 U1000.AM7 Y1101.2
SARADC0_IN0_KEY: U1000.1B20
SARADC0_IN1_CDS: U1000.1C18
SARADC0_IN2_HW_ID: U1000.1A18
SARADC0_IN3: U1000.1B18
SARADC0_IN4_LCD_ID: U1000.2B11
SARADC0_IN5: U1000.1C16
SARADC0_IN6: U1000.2A10
SARADC0_IN7_BOOT: U1000.1A20
SDIO_CLK: U1000.B22
SDIO_CMD: U1000.B21
SDIO_D0: U1000.A22
SDIO_D1: U1000.A23
SDIO_D2: U1000.A20
SDIO_D3: U1000.B20
SDMMC0_CLK: U1000.1AC20
SDMMC0_CMD: U1000.1AC18
SDMMC0_D0: U1000.1AB20
SDMMC0_D1: U1000.1AA20
SDMMC0_D2/JTAG_TCK: U1000.1AB18
SDMMC0_D3/JTAG_TMS: U1000.1AA18
SDMMC0_DET: U1000.AL10
TD+: ED6500.1 ED6501.1 R6500.2 U6500.8
TD-: ED6501.2 ED6502.1 R6501.2 U6500.6
TDA+: J6500.1 U6500.9
TDA-: J6500.2 U6500.11
TDB+: J6500.3 U6500.14
TDB-: J6500.6 U6500.16
TP_INT_L/LCDC_D6: U1000.L32
TP_RST_L/LCDC_D4: U1000.N31
TSADC_SHUT: U1000.AL11
TYPEC_DM: ED2500.1 FB2500.4 J2501.2 R2500.2
TYPEC_DP: ED2501.1 FB2500.2 J2501.3 R2503.2
UART0_RX_DBG/JTAG_TMS: U1000.AL9
UART0_TX_DBG/JTAG_TCK: U1000.AM10
UART2_CTSN_BT: U1000.B18
UART2_RTSN_BT: U1000.B19
UART2_RX_BT: U1000.B17
UART2_TX_BT: U1000.A17
USB2_HOST_DM: U1000.AL3
USB2_HOST_DP: U1000.AL4
USB2_OTG_DM: R2501.1 U1000.AM2
USB2_OTG_DP: R2502.1 U1000.AL2
USB2_OTG_ID: U1000.1AB2
USB2_OTG_VBUSDET: U1000.1AA2
USB3_SSRX+: ED2502.2 ED2502.9(NC_9) J2501.6 R2510.2
USB3_SSRX-: ED2502.1 ED2502.10 J2501.5 R2513.2
USB3_SSRXN: R2513.1 U1000.AL7
USB3_SSRXP: R2510.1 U1000.AL6
USB3_SSTX+: C2502.2 ED2502.5 ED2502.6 J2501.9
USB3_SSTX-: C2504.2 ED2502.4 ED2502.7 J2501.8
USB3_SSTXN: C2504.1 U1000.AM5
USB3_SSTXP: C2502.1 U1000.AM4
WIFI_WAKE_HOST: U1000.1AC2
WIFI_WAKE_HOST_OPTION: U1000.B16
N18056568: L3300.1 U3301.3
N18056718: C3318.1 R3305.2 U3301.1
N18056724: C3301.2 R3304.2 R3306.1 U3301.5
N18124767: R3300.2 U3300.A5
N18124770: R3301.2 U3300.A8
N18731251: J6500.7 J6500.8
N18731280: J6500.4 J6500.5
N18733113: C6500.2 U6500.7
N18733212: C6501.2 U6500.2
N18738367: C1102.1 R1101.1 Y1100.1
N19448724: FB2500.3 R2500.1 R2501.2
N19448784: FB2500.1 R2502.2 R2503.1

Pads without a net: C1801 2; C1802 2; C1805 2; C1806 2; C* 1 2; J4700 1 2 3 4 5 6 21; J4702 1 2 3 4 5 6 21; J5400 17 18 19 20 21 22 23 24 25 26 28 29 30; U1000 1A8 1C12 2J1 A8 A13 B10; U3300 A1 A2 A11 A12 AA1 AA12 AB1 AB2 AB11 AB12 B1 B12 G11 K5 K8 N5 N8; U6500 4 5 12 13

## Via types
v1: diameter 0.399, hole 0.201, TOP to BOTTOM, 921 vias
v2: diameter 0.5, hole 0.3, TOP to BOTTOM, 19 vias

## Routing (per net, layer and track width the routed paths; a pad name or vN(x,y) marks a point on that pad's centre or on a via; arc(x,y) is an arc through that point)
GND: length 1145.8
  TOP w0.089: v1(61.05,54.47) 60.88,54.65 60.88,55.99 61.84,56.96 61.84,63.71 61.82,63.74 61.82,63.9 61.73,63.99 v1(61.71,63.99) ; 54.83,38.97 54.83,38.24 54.83,38.24 ; 54.83,38.97 54.83,39.19 54.79,39.23 54.79,39.63 U1000.B26 ; 54.83,38.97 v1(54.83,38.97) ; v1(63.92,44.32) 63.92,44.32 64.29,44.69 64.89,44.69 U1000.P2 ; 51.72,42.15 51.83,42.15 v1(51.88,42.1) 51.93,42.15 52.69,42.15 U1000.H31 53.18,42.64 ; U1000.Y31 52.69,47.19 52,47.19 v1(51.99,47.2) 51.92,47.27 51.53,47.27 ; U1000.Y31 53.18,47.18 53.18,46.72 ; U1000.Y31 53.21,47.71 54.67,47.71 ; 60.65,42.38 v1(60.65,42.38) ; v1(66.03,44.98) 66,44.98 65.94,44.91 U1000.P2 ; 54.96,49.69 54.96,49.69 54.29,49.69 U1000.1Y22 ; v1(63.47,38.9) 63.43,38.93 U1000.B6 ; v1(77.82,38.59) 78.15,38.92 78.15,39.71 v1(77.79,40.07) ; v1(61.38,40.96) 61.38,40.45 v1(61.43,40.4) 61.52,40.31 61.75,40.31 62.17,39.89 U1000.B9 62.17,39.71 62.1,39.64 62.1,39.04 v1(62.17,38.97) 62.2,39 ; 60,43.68 60,43.68 ; U1000.2N13 54.78,50.2 54.78,51.8 U1000.AL26 54.93,52.15 54.79,52.29 54.79,52.82 ; 52.17,50.79 51.9,50.79 v1(51.76,50.94) ; 52.17,50.79 52.16,50.78 ; 52.17,50.79 U1000.AH31 ; 64.23,47.71 63.52,47.71 ; 64.23,47.71 64.97,47.71 ; 64.23,47.71 64.23,47.65 63.92,47.34 63.92,47.32 ; 63.52,47.71 63.92,47.31 ; 63.52,47.71 63.37,47.71 63.16,47.92 ; J4700.8 33.85,89.6 v1(34.12,89.87) 34.36,90.1 J4700.7 ; U1000.AB2 65.11,48.34 64.75,48.7 ; U1000.AB2 65.35,48.51 65.75,48.51 65.77,48.49 66.22,48.49 66.6,48.88 66.72,48.88 v1(66.74,48.91) ; U1000.AB2 U1000.AA2 ; 46.83,47.99 48.1,46.72 v1(48.61,46.72) ; U1000.2N3 61.52,49.96 61.07,49.96 U1000.2N4 ; 58.05,48.23 v1(58.05,48.23) ; 62.38,40.96 62.77,40.57 62.77,40.36 63.01,40.12 63.11,40.12 63.36,39.87 U1000.B6 ; 62.6,44.98 v1(62.6,44.98) ; 60.75,41.82 60.75,41.23 U1000.1B8 ; 60.75,41.82 60.75,41.85 60.96,42.06 U1000.2A4 ; 60.75,41.82 60.61,41.96 60.42,41.96 U1000.2A5 ; 74.22,36.77 74.1,36.65 74.1,36.43 74.08,36.41 v1(74.08,36.38) 74.05,36.36 74.05,36.31 73.82,36.08 72.56,36.08 72.33,36.31 v1(72.33,36.33) 72.31,36.36 v1(72.31,37.37) 72.33,37.4 72.33,37.48 72.69,37.83 72.69,45.4 72.76,45.48 72.76,45.48 v1(72.78,45.5) ; 73.37,40.24 73.37,41.77 73.64,42.04 v1(73.64,42.89) ; 58.1,52.71 58.1,52.69 58.21,52.57 58.21,52.29 U1000.AL19 57.75,51.82 57.75,49.88 U1000.2N9 ; 57.4,43.68 v1(57.4,43.68) ; v1(61.89,56.25) 61.94,56.25 62.2,56.5 62.2,56.63 62.32,56.75 62.32,64.37 62.7,64.75 ; U1000.L2 64.86,43.4 64.86,42.66 ; U1000.L2 65.06,43.7 64.28,43.7 U1000.1H2 ; U1000.L2 65.9,43.65 65.98,43.57 v1(66.03,43.57) ; 63.71,53.04 v1(63.71,52.98) 63.71,52.66 63.61,52.57 63.61,52.29 U1000.AL5 63.75,51.94 63.75,50.23 U1000.1Y2 ; U1000.2H13 55.04,46.7 53.21,46.7 53.18,46.72 ; 76.24,40.24 75.57,40.24 75.56,40.26 v1(75.48,40.26) ; 23.25,31.03 24.22,31.03 ; v1(62.6,47.58) 61.95,47.58 ; v1(66.47,53.48) 66.49,53.48 v1(67.17,54.16) ; 61.77,41.22 61.77,41.92 U1000.2A3 ; 59.66,33.54 59.66,32.5 59.53,32.37 ; 59.66,33.54 59.66,38.72 59.65,38.72 v1(59.65,38.85) U1000.B15 ; 59.66,33.54 60.24,32.95 ; U1000.1C20 54.97,41.52 v1(54.46,41.52) ; 54.79,52.82 54.79,52.92 54.88,53.01 54.89,53.01 ; 54.79,52.82 54.89,52.92 ; v1(62.6,44.33) U1000.2D2 ; J4702.20 v1(49.7,87.39) ; 53.18,43.67 53.21,43.7 54.3,43.7 54.66,43.34 v1(54.68,43.34) ; 53.18,43.67 53.18,43.82 U1000.M31 ; 53.18,43.67 53.18,42.64 ; U1000.AA2 65.35,47.61 66,47.61 66.03,47.58 v1(66.05,47.58) ; U1000.AA2 64.97,47.71 ; 47.96,54.32 v1(47.97,54.32) ; U1000.P2 64.86,45.16 64.86,45.81 64.79,45.89 ; 65.19,37.2 64.94,37.45 64.94,39.02 64.69,39.27 U1000.B3 ; 62.6,46.28 v1(62.6,46.28) ; U1000.AD31 52.69,49.35 52.34,49.35 52.29,49.3 52.22,49.3 ; v1(49.16,53.12) 49.16,53.13 ; U1000.2L8 v1(58.05,48.88) ; 77.18,44.75 77.03,44.75 ; 75.6,43.79 75.6,43.8 ; v1(62.6,48.88) v1(61.95,48.88) v1(61.3,48.88) 61.3,48.26 v1(61.3,48.26) ; U1000.2K1 63.15,47.91 63.16,47.92 ; 53.18,46.72 53.18,46 U1000.T31 ; U1000.U2 65.07,46.17 64.79,45.89 ; U1000.U2 64.86,46.42 64.86,46.59 ; U1000.U2 65.91,46.17 65.94,46.2 v1(65.95,46.2) ; 50.77,39.99 v1(50.77,40.09) ; 53.18,42.64 53.23,42.68 54.25,42.68 U1000.1F21 ; 60.19,53.75 60.24,53.7 60.24,53.29 60.33,53.2 v1(60.39,53.2) 60.39,53.17 60.29,53.07 60.29,52.69 U1000.AM14 ; v1(68.22,38.98) 68.18,38.98 67.66,38.47 ; 63.34,43.36 v1(63.35,43.35) ; 53.18,44.69 53.18,45.5 52.98,45.7 ; 53.18,44.69 53.18,44.32 U1000.M31 ; 53.18,44.69 53.75,44.69 U1000.1K22 54.29,44.69 54.7,44.69 54.77,44.76 ; v1(60.38,40.4) 60.91,39.87 U1000.B12 60.91,38.98 v1(60.9,38.97) ; 62.76,50.02 62.73,50.05 62.73,51.91 U1000.AL8 62.35,52.29 62.35,52.58 62.45,52.68 62.45,53.05 v1(62.43,53.07) 62.45,53.09 62.45,53.45 62.75,53.74 62.75,54.48 62.82,54.56 ; v1(60.65,45.63) v1(60.65,44.98) 60.65,44.33 60.65,44.33 ; 51.34,44.22 51.87,44.22 51.96,44.31 v1(51.96,44.33) 51.99,44.33 52.01,44.31 52.4,44.31 52.41,44.31 52.69,44.31 52.93,44.07 U1000.M31 ; 52.98,45.7 53.74,45.7 v1(54.12,45.32) 54.12,45.38 54.45,45.72 54.88,45.72 54.96,45.79 ; 52.98,45.7 U1000.T31 ; J4700.20 v1(27.86,87.39) ; J5400.1 v1(24.23,29.53) ; v1(59.35,49.53) v1(59.35,48.88) ; v1(74.59,49.34) U3300.C8 ; 63.07,48.7 64.75,48.7 ; 63.07,48.7 63.16,48.8 63.16,49.32 62.96,49.52 62.96,49.82 U1000.2N1 ; 63.07,48.7 U1000.2L1 63.16,48.32 63.16,47.92 ; 64.75,48.7 64.75,48.74 64.87,48.86 64.87,49.21 65.01,49.35 65.02,49.35 65.11,49.45 U1000.AE2 ; 60.8,64.5 60.8,59.57 v1(61.21,59.17) ; U1000.B6 63.51,39.87 63.78,40.14 63.78,40.67 63.61,40.84 63.61,40.96 v1(63.61,40.97) ; 64.29,46.7 64.76,46.7 64.86,46.59 ; 64.95,41.97 64.86,42.06 64.86,42.66 ; 52.22,45.74 52.29,45.74 52.29,45.75 U1000.T31 ; 64.97,47.71 64.86,47.6 64.86,46.59 ; U1000.AE2 65.35,49.77 65.8,49.77 66.14,50.11 66.48,50.11 66.48,50.16 v1(66.47,50.17) 66.47,50.17 66.59,50.17 66.59,50.18 ; U1000.AE2 64.68,49.96 U1000.1Y1 ; J4700.17 29.36,92.01 ; v1(74.62,45.48) 74.14,45.48 73.88,45.22 73.88,45.07 ; 64.79,45.89 64.61,45.7 64.28,45.7 U1000.1M2 ; 49.36,37.93 51.23,39.8 51.23,39.8 v1(51.79,40.36) 51.83,40.36 52,40.53 52.69,40.53 U1000.C31 ; 63.35,45.31 v1(63.35,45.32) ; v1(56.1,38.85) 56.1,39.18 56.05,39.23 56.05,39.63 U1000.B23 ; v1(75.42,36.92) 75.44,36.94 ; 59.39,53.76 59.39,53.45 59.53,53.31 59.53,53.07 v1(59.5,53.05) 59.5,53.02 59.48,52.99 59.48,52.94 59.47,52.94 59.47,52.29 59.38,52.2 U1000.AL16 58.77,51.58 58.77,50.28 58.89,50.15 59.12,50.15 59.25,50.02 59.28,50.02 ; 56.75,44.33 v1(56.75,44.33) ; 57.4,42.38 v1(57.4,42.38) ; U3300.C12 77.38,49.71 v1(77.06,49.39) ; 64.86,42.66 64.84,42.68 63.69,42.68 ; U1000.2H1 63.01,46.7 63.68,46.7 ; 60,46.28 v1(60,46.28) ; 50.36,51.92 51.35,50.94 ; 57.97,38.94 U1000.A19 ; U1000.2A7 59.02,41.96 ; 74.45,43.8 74.45,43.79 ; 61.3,49.53 v1(61.3,49.53) ; 29.36,92.01 v1(29.36,91.56)